# KiCad board soldiercrab_panel.kicad_pcb (continued)
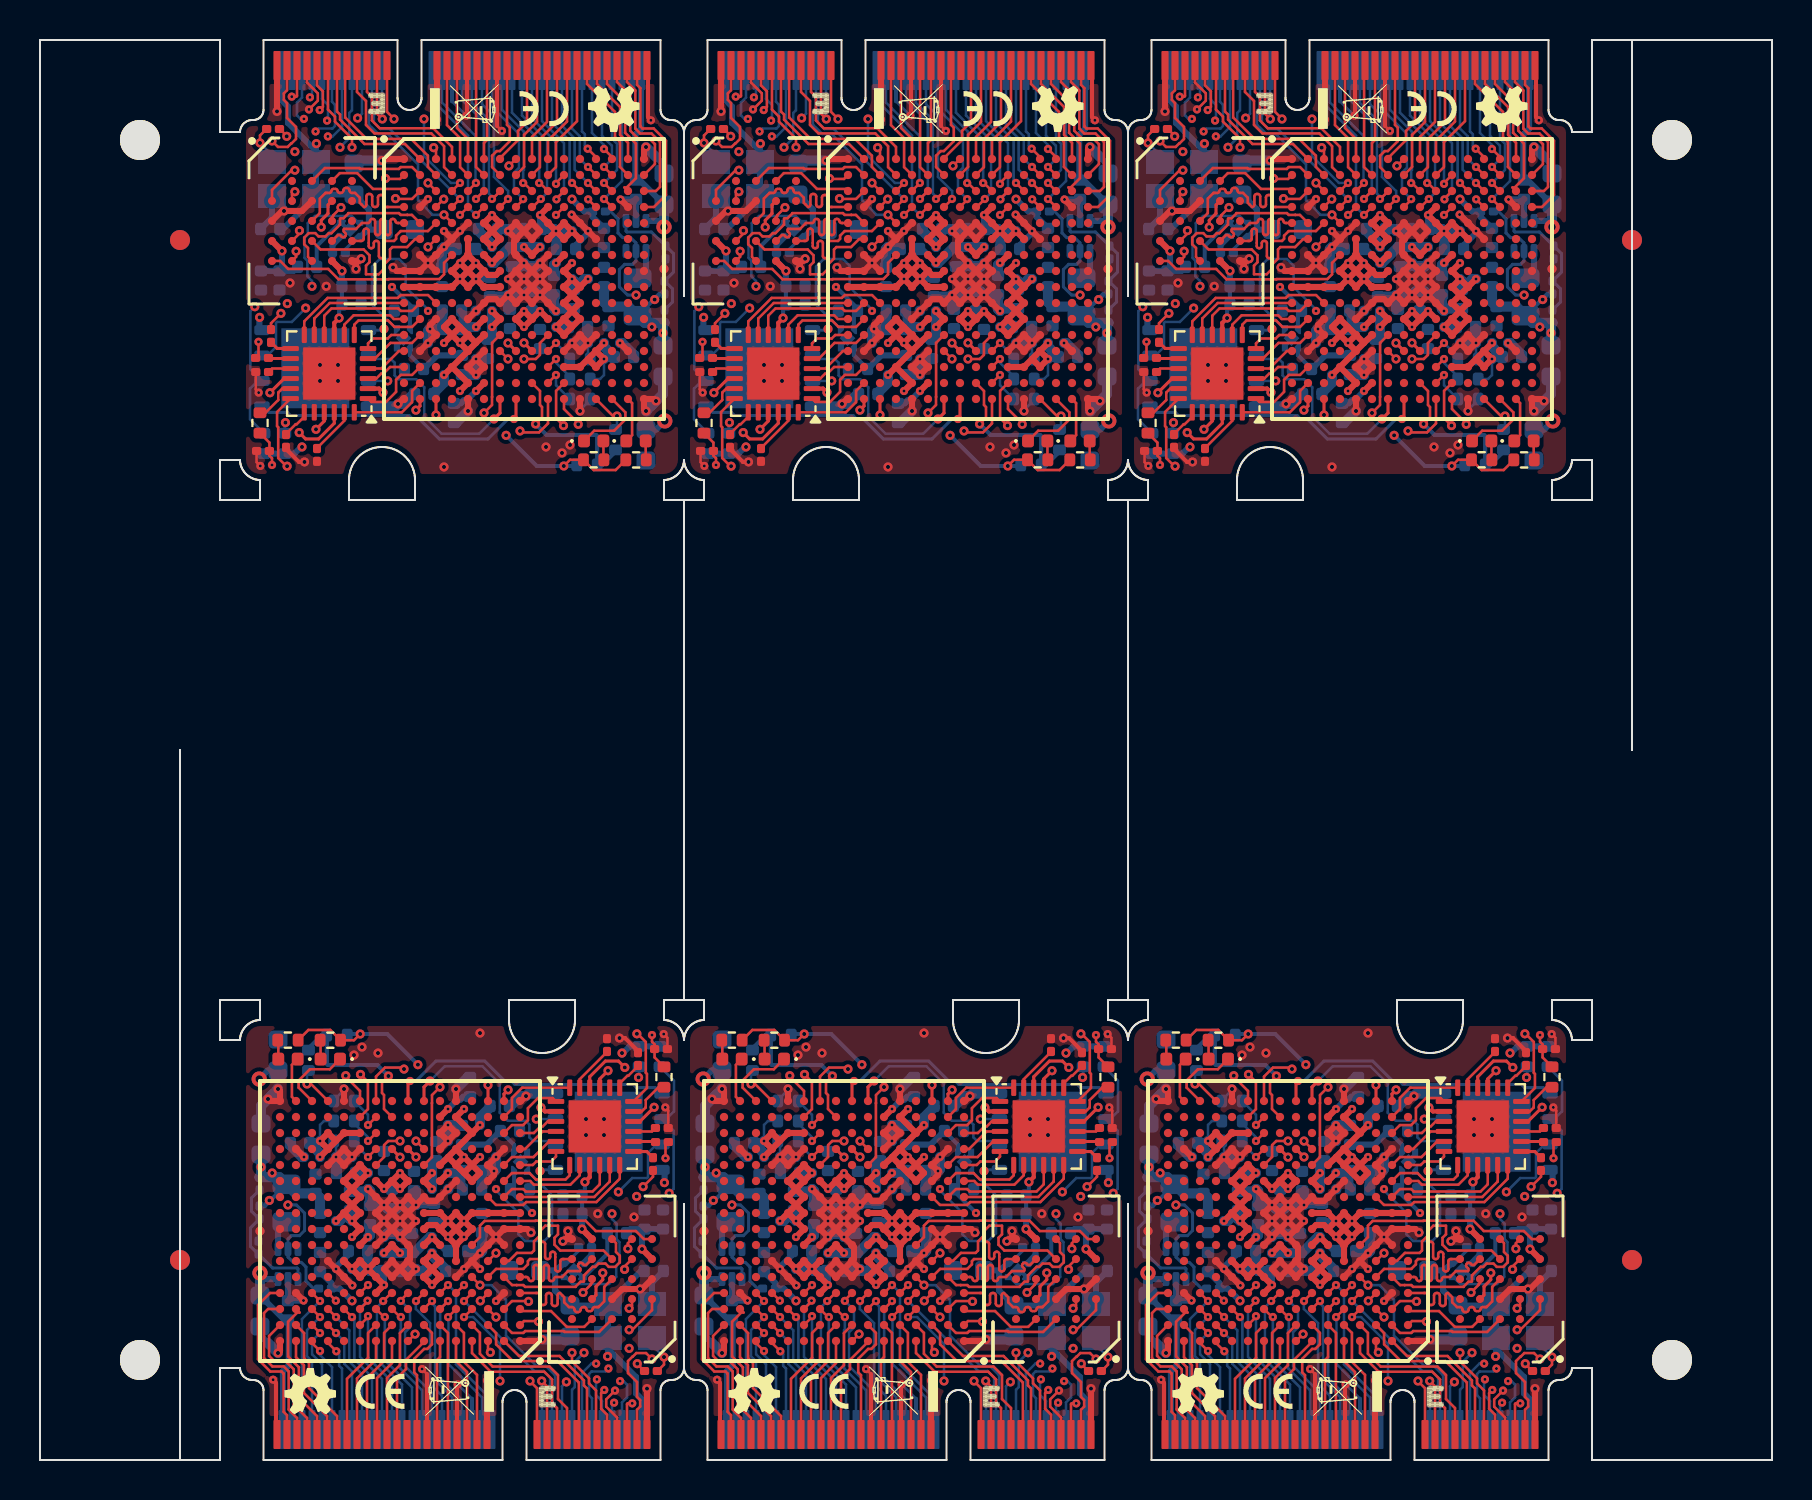
[diagram p0: board, top side]
## Routing (per net, layer and track width the routed paths; a pad name or vN(x,y) marks a point on that pad's centre or on a via; arc(x,y) is an arc through that point) (continued)
Board_1-Net-(D1-A): length 1
  Top w0.127: R11#2.1 52.49,50.03 D1#6.2
Board_1-Net-(D1-K): length 2.3
  Top w0.127: 51.52,50.95 51.8,51.24 51.8,52.85 IC1.T15
Board_1-Net-(D2-A): length 1
  Top w0.127: D2#4.2 50.37,50.03 R15#2.1
Board_1-Net-(D2-K): length 3.8
  Top w0.127: IC1.T14 51.47,52.38 51.47,52.03 50.91,51.46 49.91,51.46 D2#4.1
Board_1-Net-(U1-FB): length 6.7
  Bottom w0.152: R2#6.1 53.83,57.9 53.83,58.56 53.45,58.94 C25#5.1 53.88,59.4 53.88,60.32 53.5,60.7 R3.1 52.77,61.4 51.55,61.4 51.5,61.45 U1#6.1
Board_1-Net-(U1-SW): length 1.5
  Bottom w0.305: L1#6.1 52.5,59.52 U1#6.4
Board_1-Net-(U3-DM): length 1.1
  Top w0.152: 33.62,55.07 34.72,55.07 U3.14
Board_1-Net-(U3-DP): length 1.1
  Top w0.152: R10#4.2 34.06,55.58 34.72,55.58 U3.13
Board_1-Net-(U3-RBIAS): length 1.5
  Top w0.127: U3.19 35.41,52.17 35.04,51.79 34.99,51.79 34.58,51.38 34.58,51.27
Board_1-Net-(U3-VBUS): length 2.2
  Top w0.127: R8#3.1 33.47,52.36 34.11,53 34.11,53.37 34.31,53.57 U3.17
Board_1-Net-(Y1-OUT): length 2.1
  Top w0.127: 33.53,66.56 33.2,66.23 v2(33.2,65.85)
  Bottom w0.127: v2(33.2,65.85) 33.8,65.25 Y1.3
Board_1-USB0_DM: length 16.8
  Top w0.127: 32.98,55.07 32.98,55.1 33.12,55.25 v1(33.12,55.91) ; J1.5 35.05,68.2 35.02,68.17 v1(34.79,68.17)
  In2.Cu w0.127: v1(34.79,68.17) 34.79,67.44 34.1,66.75 33.51,66.75 32.78,66.03 32.78,65.68 33.23,65.24 33.23,65.07 33.21,65.06 33.21,58.01 33.7,57.52 33.7,56.49 v1(33.12,55.91)
Board_1-USB0_DP: length 15.7
  Top w0.127: 33.65,56.52 R10#4.1 33.75,56.84 v2(34.25,57.33) ; v2(33.8,65.95) 34.1,65.65 34.59,65.65 34.77,65.84 34.78,65.84 35,66.05 35,66.65 34.55,67.1 34.55,67.85 34.39,68 34.39,68.33 34.55,68.49 J1.3
  In2.Cu w0.127: v2(34.25,57.33) 33.47,58.11 33.47,64.95 33.8,65.29 v2(33.8,65.95)
Board_1-USB0_ID: length 28.8
  Top w0.127: v2(34.56,49.69) 34.52,49.69 34.11,50.1 34.11,51.64 34.05,51.7 34.05,52.4 U3.18
  In4.Cu w0.127: v2(37.2,65.63) 36.57,65 33.15,65 32.76,64.62 32.76,60.35 33.6,59.52 33.6,55.83 34.11,55.31 34.11,53.19 33.87,52.94 33.87,50.28 34.46,49.69 v2(34.56,49.69)
  Bottom w0.127: v2(37.2,65.63) 37.66,66.1 37.66,67.35 37.8,67.49 J1.16
Board_1-USB0_VBUS: length 24.5
  Top w0.127: v1(33.8,49.75) 33.8,50.09 33.67,50.22 33.67,50.87 R8#3.2 ; v1(36.19,67.5) 36.34,67.65 36.34,68.44 36.05,68.73 J1.9
  In1.Cu w0.127: v2(34.57,57.82) 34.74,57.65 34.74,56.85 34.11,56.23 34.11,52.46 33.8,52.15 33.8,51.59 34.1,51.29 34.1,50.5 33.8,50.2 v1(33.8,49.75)
  In2.Cu w0.127: v2(34.57,57.82) 33.72,58.67 33.72,64.85 34.29,65.42 v2(34.94,65.42)
  In4.Cu w0.127: v2(34.94,65.42) 34.94,66.04 35.88,66.98 35.88,67.19 v1(36.19,67.5)
Board_1-VCCRAM: length 38.3
  Top w0.152: v2(36.26,61.64) 36.26,61.98 36.6,62.32 36.6,62.75 U10#5.B4
  Top w0.203: U3.9 36.91,56.86 v2(37.15,57.1) ; U3.2 39.16,53.57 v2(39.35,53.38)
  Top w0.305: IC1.M5 44,55.85 ; IC1.M5 43.2,56.65 ; IC1.M5 v1(43.2,55.85) ; 44,55.85 IC1.N5 ; 44,55.85 IC1.M6 ; IC1.N5 v1(43.2,55.85) ; IC1.N5 IC1.P4 ; IC1.G5 44,59.85 v1(44,59.85) 44,59.85 ; IC1.G5 IC1.F5 ; IC1.G5 43.2,59.85 v1(43.2,59.85) 43.2,59.85 ; IC1.J1 IC1.J2 IC1.J3 IC1.J4 43.2,59.05 ; 43.2,56.65 IC1.M4 ; 43.2,56.65 IC1.L4 42.4,56.65 IC1.M4 ; IC1.M4 v1(42.4,55.85) ; IC1.M4 v1(43.2,55.85) ; IC1.J7 IC1.J6 44.4,58.65 v1(44,59.05) ; 44,59.05 IC1.J5 43.2,59.05 ; 44,59.05 v1(44,59.05) ; 44,59.05 IC1.H5 ; 43.2,59.05 v1(43.2,59.05) 43.2,59.05 IC1.H5 ; 43.2,59.05 IC1.H4 43.2,59.85 ; v1(43.2,53.45) IC1.R5 IC1.P4 ; U10#5.E4 v2(37.3,59.45) ; IC1.H5 43.2,59.85 ; IC1.H5 44,59.85 ; IC1.H7 45,59.25 44.6,59.25 IC1.H6 ; U10#5.D1 v2(34.3,60.45) ; v1(44,59.05) 44,59.05 IC1.H6 ; 44,59.85 IC1.H6 ; IC1.P4 v1(42.4,54.25)
  Bottom w0.203: v2(37.15,57.1) 37.15,57.63 C5#2.1 C32#4.1
  Bottom w0.305: v1(44,59.05) 44.62,59.05 C19#2.1 ; C83#5.1 42.68,58.67 42.7,58.65 42.8,58.65 v1(43.2,59.05) ; C31#4.1 33.25,59.46 33.3,59.51 ; C31#4.1 34.3,59.58 v2(34.3,60.45) ; C31#4.1 34.88,59.46 C65.1 ; 37.27,58.73 C32#4.1 37.3,59.45 v2(37.3,59.45) 36.83,59.93 R16#4.1 36.83,60.76 37.24,61.18
  Bottom w0.508: v1(42.4,54.25) 42.4,53.87 41.88,53.35
Board_2-+1V1: length 19.4
  Top w0.305: IC1#2.L9 v1(68.6,57.45) IC1#2.L8 v1(68.6,56.65) IC1#2.L9 ; IC1#2.L9 v1(69.4,57.45) IC1#2.L10 ; IC1#2.G6 v1(67,59.85) IC1#2.G7 ; v1(69.4,60.65) IC1#2.G9 v1(68.6,60.65)
  Bottom w0.203: v2(75.13,58.02) 75.41,58.3 C25#6.2 75.36,58.3 L1#5.2 74.43,57.22 v2(74.99,56.65)
  Bottom w0.305: v3(75.64,51.95) 75.21,51.52 C1#5.1 ; v1(67,59.85) 66.3,60.55 C15#3.1
  Bottom w0.508: 72.6,58.67 72.6,57.9 72.83,57.67 73.82,57.67 L1#5.2 74.63,56.86 R2#5.2 75.55,56.78 v2(75.55,56.35) C3.1 ; v1(69.4,60.65) 69.02,60.65 C13#4.1 68.98,60.65 v1(68.6,60.65) 68.02,60.65 C9#3.1 67.88,60.63 67.1,59.85 v1(67,59.85)
Board_2-+2V5: length 16.9
  Top w0.305: v1(67,57.45) IC1#2.L7 v1(67,56.65) ; IC1#2.G11 v1(70.2,59.85)
  In3.Cu w0.305: v1(67,56.65) 67,59.16 67.48,59.65 67.48,60.22 68.4,61.13 69.6,61.13 70.2,60.54 v1(70.2,59.85)
  Bottom w0.203: U2#5.1 62.9,55.24 63.58,54.55
  Bottom w0.305: 63.58,54.55 64.26,55.23 C22#4.1 65.57,55.23 66.37,56.03 C26#2.1
  Bottom w0.508: v1(70.2,59.85) 70.1,59.75 C24#6.1 ; C26#2.1 67,56.23 v1(67,56.65) v1(67,57.45)
Board_2-+3V3: length 82.7
  Top w0.127: R11#4.2 73.18,49.5 72.08,49.5 R15#4.2 70.9,50.01 v2(70.59,49.7)
  Top w0.152: v2(55.89,53.36) 56.6,54.07 U3#2.16
  Top w0.305: IC1#2.N13 v1(72.6,55.05) IC1#2.P13 71.8,55.05 ; IC1#2.N13 v1(72.6,55.85) ; IC1#2.N13 71.8,55.05 ; 71.8,55.05 IC1#2.P12 IC1#2.P11 ; v1(71,61.45) IC1#2.F11 v1(70.2,61.45) ; v1(71,61.45) IC1#2.E11 v1(70.2,61.45) ; v1(71,61.45) IC1#2.F12 ; IC1#2.D10 v1(69.4,62.25) IC1#2.E10 v1(70.2,61.45) ; 71,56.65 IC1#2.M11 v1(70.2,56.65) IC1#2.L11 ; 71,56.65 IC1#2.L12 IC1#2.K11 IC1#2.J12 ; 71,56.65 IC1#2.L11 ; v1(71,59.05) IC1#2.H11 v1(71,59.85) ; v1(71,59.05) IC1#2.J11 IC1#2.K12 IC1#2.L11 ; v1(71,59.05) IC1#2.J12 ; v1(70.2,61.45) IC1#2.F10 ; IC1#2.J12 v1(71.8,59.05) ; 67.3,60.95 v1(67,60.65) IC1#2.F6 IC1#2.E7 v1(67,62.25) IC1#2.E6 67.3,61.15 67.3,60.95 ; 67.3,60.95 IC1#2.F7 ; IC1#2.L6 v1(66.2,56.65) ; IC1#2.R6 v1(66.2,53.45)
  Bottom w0.127: R13.2 72.4,54.05 72.6,54.25 v1(72.6,55.05)
  Bottom w0.152: R16.2 59.67,60.54 U4.4
  Bottom w0.203: R6#6.1 71.19,49.7 v2(70.59,49.7) 69.24,49.7 v2(67.71,51.23) ; U2#5.4 62.9,57.28 63.08,57.47 63.08,57.57 v1(62,58.65)
  Bottom w0.305: v2(71,63.04) 71.61,62.43 R1#6.2 72.03,62.15 C35.1 ; 60.84,61.58 60.84,62.53 C4#3.1 58.27,63.27 Y1#6.1 ; 60.84,61.58 60.9,61.52 C23#5.1 ; 60.84,61.58 60.44,61.18 60.36,61.18 ; C81#2.1 65.43,52.83 65.58,52.98 65.73,52.98 v1(66.2,53.45) ; Y1#6.1 58.2,63.17 ; Y1#6.1 Y1#6.4 ; Y1#6.1 56.55,61.55 C10#6.1 56.5,61.44 ; v2(57.5,50.65) 57.45,50.65 57.12,50.32 R110#5.1 R109.1 ; 58.2,65.43 Y1#6.4 ; Y1#6.4 58.2,65.8 v2(58.22,65.82) ; Y1#6.4 58.2,65.45 56.8,66.85 56.8,67.67 56.5,67.97 J1#2.2 ; C2.1 74.17,64.21 74.17,66.27 74.46,66.56 74.46,69.43 J1#2.74 ; v3(75.6,61.65) 75.3,61.95 U1#4.3 ; v2(55.38,57.13) 55.37,57.12 55.37,56.49 ; C12#3.1 C33#4.1 65.4,56.47 ; v1(69.4,62.25) 69.4,61.63 C14#3.1 ; v1(67,62.25) 66.32,61.57 C18#5.1
  Bottom w0.508: C8#4.1 v1(70.2,56.65) ; v1(70.2,61.45) v1(71,61.45) ; v1(70.2,61.45) 70.22,61.43 C79#5.1 ; v1(70.2,61.45) 70.1,61.55 C14#3.1 ; v1(66.2,56.65) 65.58,56.65 C33#4.1 ; v1(72.6,55.85) 72.6,55.67 C80#4.1 72.7,55.15 v1(72.6,55.05) ; C18#5.1 66.32,61.46 67,60.78 v1(67,60.65) ; v1(71,59.05) 71.1,58.95 C16#6.1 71.62,59.05 v1(71.8,59.05) ; 75.6,62.55 v3(75.6,61.65)
Board_2-/bank0_1/CLOCK_48MHZ: length 13.4
  Top w0.127: IC1#2.A8 68.19,65.05 v2(67.85,64.71) ; v2(56.74,66.18) 56.74,66.2 56.37,66.56
  In2.Cu w0.127: v2(67.85,64.71) 66.5,66.05 59.23,66.05 58.49,65.31 58.13,65.31 57.88,65.56 57.88,65.57 57.62,65.84 57.08,65.84 v2(56.74,66.18)
Board_2-/bank2_3/~{FPGA_SELF_PROGRAM}: length 2.1
  Top w0.127: 73.25,52.15 v2(73.25,52.2) 73.05,52.2 IC1#2.T13
  Bottom w0.127: 73.25,51.51 v2(73.25,52.2)
Board_2-/bank6_7/RAM.CK: length 12.5
  Top w0.127: IC1#2.C3 64.2,63.45 v2(63.8,63.85) ; U10#4.B2 57,63.27 v2(57.14,63.42)
  In2.Cu w0.127: v2(57.14,63.42) 57.14,63.9 57.8,64.55 59.87,64.55 60.01,64.69 arc(60.18,64.76) 60.35,64.69 60.42,64.62 arc(60.59,64.55) 60.76,64.62 60.84,64.7 arc(60.91,64.87) 60.84,65.04 60.77,65.11 arc(60.7,65.28) 60.77,65.45 61.7,65.45 arc(61.93,65.36) 62.02,65.13 62.02,64.77 arc(62.11,64.55) 62.34,64.45 62.5,64.45 arc(62.73,64.55) 62.82,64.77 62.82,65.13 arc(62.91,65.36) 63.14,65.45 64,64.59 64,64.05 v2(63.8,63.85)
Board_2-/bank6_7/RAM.DQ0: length 8
  Top w0.127: U10#4.D3 58.43,60.53 60.58,60.53 60.87,60.24 60.87,59.89 60.7,59.72 60.7,59.29 61.33,59.29 61.63,59.58 61.63,59.8 61.9,60.07 61.9,60.53 62.02,60.65 62.75,60.65 63.16,61.05 IC1#2.F2
Board_2-/bank6_7/RAM.DQ1: length 7.2
  Top w0.127: v2(57.37,61.47) 57.37,61.32 U10#4.D2 ; v2(61.68,64.08) 61.7,64.05 62.4,64.05 IC1#2.B1
  In2.Cu w0.127: v2(57.37,61.47) 57.37,61.72 59.73,64.08 v2(61.68,64.08)
Board_2-/bank6_7/RAM.DQ2: length 6.8
  Top w0.127: U10#4.C4 59,62.15 59.07,62.21 59.07,62.24 v2(59.45,62.62) ; v2(62.17,63.07) 62.19,63.05 63,63.05 IC1#2.C2
  In2.Cu w0.127: v2(62.17,63.07) 61.61,62.5 60.96,62.5 arc(60.83,62.56) 60.77,62.69 60.77,63.24 arc(60.72,63.38) 60.58,63.43 60.48,63.43 arc(60.35,63.38) 60.29,63.24 60.29,62.69 arc(60.24,62.56) 60.1,62.5 59.57,62.5 v2(59.45,62.62)
Board_2-/bank6_7/RAM.DQ3: length 7.5
  Top w0.127: U10#4.D4 59.28,61.23 arc(59.35,61.26) 59.42,61.23 59.49,61.16 arc(59.56,61.13) 59.63,61.16 59.67,61.2 arc(59.7,61.27) 59.67,61.34 59.6,61.41 arc(59.57,61.48) 59.6,61.55 60.2,61.55 60.5,61.85 60.8,61.85 arc(60.87,61.88) 60.9,61.95 arc(60.93,62.02) 61,62.05 61.05,62.05 arc(61.12,62.02) 61.15,61.95 61.15,61.35 arc(61.18,61.28) 61.26,61.25 61.31,61.25 arc(61.38,61.28) 61.41,61.35 61.41,61.95 arc(61.44,62.02) 61.51,62.05 61.56,62.05 arc(61.63,62.02) 61.66,61.95 61.66,61.35 arc(61.69,61.28) 61.76,61.25 61.81,61.25 arc(61.89,61.28) 61.92,61.35 61.92,61.95 arc(61.95,62.02) 62.02,62.05 62.07,62.05 arc(62.14,62.02) 62.17,61.95 arc(62.2,61.88) 62.27,61.85 IC1#2.E1
Board_2-/bank6_7/RAM.DQ4: length 7.9
  Top w0.127: IC1#2.E3 63.8,61.45 62.44,61.45 62.2,61.21 62.2,61.06 62.1,60.95 61.7,60.95 arc(61.63,60.92) 61.6,60.85 61.6,60.19 arc(61.57,60.12) 61.5,60.09 61.45,60.09 arc(61.37,60.12) 61.34,60.19 61.34,60.85 arc(61.31,60.92) 61.24,60.95 61.19,60.95 arc(61.12,60.92) 61.09,60.85 61.09,60.69 arc(61.06,60.62) 60.99,60.59 60.94,60.59 arc(60.87,60.62) 60.84,60.69 60.84,61.46 arc(60.81,61.53) 60.73,61.56 60.68,61.56 arc(60.61,61.53) 60.58,61.46 60.58,61.05 arc(60.55,60.98) 60.48,60.95 U10#4.D5
Board_2-/bank6_7/RAM.DQ5: length 8.1
  Top w0.127: U10#4.E3 57.8,60.15 57.8,60.6 57.61,60.79 57.61,61.11 57.84,61.34 58.16,61.34 58.33,61.18 58.67,61.18 58.84,61.34 58.98,61.34 59.4,61.77 59.4,62.05 59.43,62.08 59.57,62.08 59.82,62.33 59.82,62.34 62.35,62.34 62.44,62.25 62.76,62.25 62.77,62.25 63,62.25 IC1#2.E2
Board_2-/bank6_7/RAM.DQ6: length 7.8
  Top w0.127: U10#4.E2 57.21,60.16 v2(57.21,60.44) ; IC1#2.F3 64.2,61.05 v2(63.8,60.65)
  In2.Cu w0.127: v2(57.21,60.44) 57.42,60.65 v2(63.8,60.65)
Board_2-/bank6_7/RAM.DQ7: length 10.2
  Top w0.127: U10#4.E1 56.41,59.95 56.81,59.55 58.81,59.55 59.33,59.03 61.82,59.03 61.84,59.05 64.36,59.05 64.6,59.29 64.6,59.85 IC1#2.G4
Board_2-/bank6_7/RAM.RWDS: length 8.7
  Top w0.127: U10#4.C3 58.39,62.34 58.39,63.07 58.67,63.35 58.87,63.35 arc(58.94,63.38) 58.97,63.45 arc(59,63.52) 59.07,63.55 59.18,63.55 arc(59.25,63.52) 59.28,63.45 arc(59.31,63.38) 59.38,63.35 59.44,63.35 arc(59.53,63.39) 59.57,63.48 59.57,63.48 arc(59.6,63.57) 59.69,63.6 59.75,63.6 arc(59.84,63.57) 59.88,63.48 59.88,63.48 arc(59.91,63.39) 60,63.35 60.15,63.35 60.39,63.11 60.39,62.86 60.6,62.65 arc(60.68,62.68) 60.72,62.77 60.72,63.18 arc(60.75,63.27) 60.83,63.3 60.89,63.3 arc(60.97,63.27) 61.01,63.18 61.01,62.77 arc(61.04,62.68) 61.12,62.65 61.18,62.65 arc(61.26,62.68) 61.3,62.77 61.3,63.13 arc(61.33,63.22) 61.41,63.25 61.47,63.25 arc(61.55,63.22) 61.59,63.13 61.59,62.77 arc(61.62,62.68) 61.7,62.65 IC1#2.D1
Board_2-/bank6_7/RAM.~{CK}: length 12.5
  Top w0.127: v2(57.14,64.49) 56.98,64.49 56,63.51 U10#4.B1 ; v2(64.59,63.04) 64.2,62.66 IC1#2.D3
  In2.Cu w0.127: v2(57.14,64.49) 57.46,64.81 59.75,64.81 60.16,65.21 60.17,65.21 60.67,65.71 63.25,65.71 64.3,64.65 64.3,63.33 v2(64.59,63.04)
Board_2-/bank6_7/RAM.~{CS}: length 5.9
  Top w0.127: IC1#2.B2 63,64.65 62.44,64.65 62.34,64.55 60.41,64.55 60.36,64.6 58.64,64.6 U10#4.A3
Board_2-/bank6_7/RAM.~{RESET}: length 4.1
  Top w0.127: IC1#2.C1 62.5,63.55 61.05,63.55 60.26,64.34 59.39,64.34 U10#4.A4
Board_2-/bank6_7/USB0.DATA0: length 2.2
  Top w0.127: U3#2.4 61.47,54.57 62.35,55.45 IC1#2.N1
Board_2-/bank6_7/USB0.DATA1: length 3.1
  Top w0.127: IC1#2.M2 63,55.85 61.92,55.85 61.14,55.07 U3#2.5
Board_2-/bank6_7/USB0.DATA2: length 2.2
  Top w0.127: U3#2.6 60.8,55.83 61.05,56.08 61.79,56.08 61.96,56.25 IC1#2.M1
Board_2-/bank6_7/USB0.DATA3: length 4.2
  Top w0.127: IC1#2.L2 63,56.65 62.13,56.65 61.8,56.98 60.33,56.98 60.11,56.77 U3#2.7
Board_2-/bank6_7/USB0.DATA4: length 3.8
  Top w0.127: IC1#2.L1 62.09,57.05 61.91,57.23 60.08,57.23 59.61,56.77 U3#2.8
Board_2-/bank6_7/USB0.DATA5: length 6.1
  Top w0.127: IC1#2.K2 63,57.45 62.44,57.45 62.31,57.58 58.98,57.58 58.61,57.22 U3#2.10
Board_2-/bank6_7/USB0.DATA6: length 5.6
  Top w0.127: IC1#2.K1 58.89,57.85 58.11,57.08 U3#2.11
Board_2-/bank6_7/USB0.DATA7: length 8
  Top w0.127: IC1#2.K3 63.8,58.25 62.44,58.25 62.29,58.1 58.78,58.1 57.61,56.93 U3#2.12
Board_2-/bank6_7/USB0.DIR: length 3.7
  Top w0.127: IC1#2.P2 63,54.25 62.44,54.25 62.2,54.01 62.2,53.41 61.7,52.9 60.97,52.9 U3#2.1
Board_2-/bank6_7/USB0.NXT: length 2
  Top w0.127: U3#2.3 61.21,54.07 61.46,54.32 61.57,54.32 61.91,54.65 IC1#2.P1
Board_2-/bank6_7/USB0.REFCLK: length 8.1
  Top w0.152: v2(58.2,51.53) 58.61,51.95 U3#2.21 ; v2(64.2,52.25) IC1#2.T3
  In2.Cu w0.152: v2(64.2,52.25) 63.9,51.95 58.62,51.95 v2(58.2,51.53)
Board_2-/bank6_7/USB0.STP: length 4.2
  Top w0.127: U3#2.24 62.49,52.38 63,52.9 63,53.45 IC1#2.R2
Board_2-/bank6_7/USB0.~{RESET}: length 9.7
  Top w0.152: v2(63.2,52.49) 63.4,52.7 IC1#2.T2 ; v2(57.36,51.37) 57.68,51.05 58.33,51.05 59.11,51.84 U3#2.22
  In2.Cu w0.152: v2(63.2,52.49) 63.05,52.35 58.34,52.35 v2(57.36,51.37)
Board_2-/bank8_configuration/D0: length 14.9
  Top w0.152: v1(68.1,52.05) 68.2,52.15 IC1#2.T8
  Bottom w0.152: v1(68.1,52.05) 67.8,52.05 66.8,51.05 64.37,51.05 63.35,52.06 63.02,52.06 62.85,52.22 56.93,52.22 56.77,52.38 55.83,52.38 55.53,52.68 55.37,52.68
Board_2-/bank8_configuration/D1: length 10.7
  Top w0.152: v2(67.1,52.05) 67.4,52.35 IC1#2.T7
  Bottom w0.127: 60.7,55.22 60.87,55.05 61.94,55.05 62.13,54.87 62.13,54.23 62.32,54.04 63.21,54.04 63.62,53.64 63.62,52.18 64.48,51.32 66.37,51.32 v2(67.1,52.05)
Board_2-/bank8_configuration/D2: length 12.6
  Top w0.127: IC1#2.M7 67,55.85 67,53.16 67,53.15 67,52.75 v2(66.6,52.35)
  In1.Cu w0.127: v2(61.78,53.96) 62.13,53.62 62.13,53.3 61.58,52.76 61.58,52.63 62.38,51.83 66.08,51.83 v2(66.6,52.35)
  Bottom w0.127: v2(61.78,53.96) 61.78,53.95 60.7,53.95
Board_2-/bank8_configuration/D3: length 26.2
  Top w0.127: IC1#2.N7 67.4,55.45 v2(67.8,55.05)
  In1.Cu w0.127: v2(67.8,55.05) 67.7,54.96 67.7,52.06 67.2,51.55 58.82,51.55 58.42,51.95 57.35,51.95 56.83,51.44 56.51,51.44 56.25,51.7 56.25,52.04 56.57,52.36 56.57,56.12 57.68,57.23 v2(57.68,57.6)
  Bottom w0.127: v2(57.68,57.6) 56.99,56.9 56.25,56.9 56.2,56.85 56.2,55.65 55.77,55.22 55.37,55.22
Board_2-/bank8_configuration/FPGA_CFG0: length 1.7
  Top w0.127: IC1#2.N10 v1(70.2,55.85)
  Bottom w0.127: R12#6.1 70.89,55.16 v1(70.2,55.85)
Board_2-/bank8_configuration/FPGA_CFG1: length 1.9
  Top w0.127: IC1#2.P10 v1(70.2,55.05)
  Bottom w0.127: v1(70.2,55.05) 70.2,54.86 70.89,54.17 R13.1
Board_2-/bank8_configuration/FPGA_CFG2: length 2.1
  Top w0.127: IC1#2.R10 v1(70.2,54.25)
  Bottom w0.127: R14#2.1 70.2,53.74 v1(70.2,54.25)
Board_2-/bank8_configuration/FPGA_CONFIG.~{PROGRAM}: length 8.5
  Top w0.127: IC1#2.R9 69.4,53.45 69.4,52.75 69.5,52.65 69.5,52.12 v2(69.18,51.8)
  Bottom w0.203: v2(69.18,51.8) 69.73,51.25 72.2,51.25 72.26,51.19 R6#6.2 72.51,49.75 73.25,50.49
Board_2-/bank8_configuration/FPGA_FLASH_CLK: length 22.8
  Top w0.152: IC1#2.N9 69,55.46 v2(68.6,55.86)
  In1.Cu w0.152: v2(68.6,55.86) 67.91,56.55 67.48,56.55 67.17,56.24 65.98,56.24 63.97,58.25 62.18,58.25 62.17,58.24 61.83,58.24 61.82,58.25 55.73,58.25 v2(55.14,57.66)
  Bottom w0.127: v2(55.14,57.66) 54.92,57.45 54.92,54.53 U7#5.6 ; R109.2 54.9,52.04 54.9,53.57 55.28,53.95 55.45,53.95
Board_2-/bank8_configuration/~{CS_DI}: length 16.5
  Top w0.152: v2(67.8,55.85) IC1#2.N8
  In1.Cu w0.152: v2(56.67,51.87) 57.02,52.22 58.54,52.22 61.6,55.28 v2(61.6,56.55) 62.91,56.55 63.34,56.98 64.85,56.98 66,55.83 67.78,55.83 v2(67.8,55.85)
  Bottom w0.152: R110#5.2 56.64,51.84 v2(56.67,51.87) ; 60.7,56.49 61.54,56.49 v2(61.6,56.55)
Board_2-/usb/ULPI_1V8: length 2.4
  Top w0.127: U3#2.23 59.61,51.96 58.25,50.6 C34#2.1
Board_2-/usb/ULPI_3V3: length 1.2
  Top w0.127: C36#2.1 56,54.57 U3#2.15
Board_2-ECP5_A2: length 7.6
  Top w0.127: IC1#2.A2 62.65,65.8 60.63,65.8 59.4,67.02 59.4,67.27 59.25,67.43 J1#2.13
Board_2-ECP5_A3: length 9.3
  Top w0.127: v2(64.08,65.62) 64.2,65.5 IC1#2.A3 ; J1#2.11 58.8,69.68 58.8,67.52 59.15,67.17 59.15,66.92 60,66.07 v2(60,65.63)
  In1.Cu w0.127: v2(60,65.63) 60.02,65.62 v2(64.08,65.62)
Board_2-ECP5_A4: length 8
  Top w0.127: IC1#2.A4 65,65.65 64.07,66.59 61.39,66.59 61,66.98 61,68.16 60.75,68.4 J1#2.19
Board_2-ECP5_A5: length 4.9
  Top w0.127: IC1#2.A5 65.8,66.05 65.25,66.6 J1#2.37
Board_2-ECP5_A6: length 4.7
  Top w0.127: J1#2.43 66.75,66 66.6,65.85 IC1#2.A6
Board_2-ECP5_A7: length 5.3
  Top w0.127: IC1#2.A7 67.4,65.19 67.5,65.19 68.3,65.99 68.3,66.45 68.75,66.9 J1#2.51
Board_2-ECP5_A9: length 5
  Top w0.127: J1#2.55 69.75,66.9 69,66.15 IC1#2.A9
Board_2-ECP5_A10: length 5.1
  Top w0.127: IC1#2.A10 69.8,65.97 70.75,66.92 J1#2.59
Board_2-ECP5_A13: length 4.7
  Top w0.127: IC1#2.A13 72.2,65.15 v1(71.78,65.56)
  Bottom w0.127: J1#2.62 71.5,66.43 71.64,66.29 71.64,65.71 v1(71.78,65.56)
Board_2-ECP5_A14: length 4.8
  Top w0.127: IC1#2.A14 73,65.15 v1(72.6,65.55)
  Bottom w0.127: v1(72.6,65.55) 72.6,65.75 72.25,66.1 72.25,66.11 72,66.35 J1#2.64
Board_2-ECP5_A15: length 5.3
  Top w0.127: IC1#2.A15 73.8,65.86 73.4,66.26 73.4,67.65 72.25,68.8 J1#2.65
Board_2-ECP5_B3: length 8.7
  Top w0.127: IC1#2.B3 63.8,64.65 63.8,65.21 62.96,66.05 60.73,66.05 59.66,67.13 59.66,69.63 J1#2.15
Board_2-ECP5_B4: length 9.1
  Top w0.127: J1#2.17 60.25,68.4 60.7,67.95 60.7,66.75 61.12,66.33 63.96,66.33 64.6,65.69 64.6,64.65 IC1#2.B4
Board_2-ECP5_B5: length 5.9
  Top w0.127: J1#2.35 64.75,66.74 65.4,66.09 65.4,64.65 IC1#2.B5
Board_2-ECP5_B6: length 5.7
  Top w0.127: J1#2.41 66.2,69.68 66.2,64.65 IC1#2.B6
Board_2-ECP5_B7: length 6.2
  Top w0.127: J1#2.47 67.75,66.76 67.89,66.62 67.89,65.94 67.39,65.45 67.24,65.45 67,65.21 67,64.65 IC1#2.B7
Board_2-ECP5_B8: length 5.9
  Top w0.127: J1#2.53 69.25,66.9 68.6,66.26 68.6,64.65 IC1#2.B8
Board_2-ECP5_B9: length 6
  Top w0.127: J1#2.57 70.25,66.9 69.4,66.05 69.4,64.65 IC1#2.B9
Board_2-ECP5_B10: length 6.1
  Top w0.127: J1#2.61 71.25,66.94 70.2,65.89 70.2,64.65 IC1#2.B10
Board_2-ECP5_B11: length 6.8
  Top w0.127: v1(70.2,63.81) 70.2,63.85 IC1#2.B11
  Bottom w0.127: J1#2.52 69,69.47 69,67.09 70.2,65.89 v1(70.2,63.81)
Board_2-ECP5_B13: length 5.8
  Top w0.127: v1(71.8,64.65) 72.2,64.25 IC1#2.B13 72.16,64.25
  Bottom w0.127: J1#2.60 71,66.57 71.39,66.18 71.39,65.06 v1(71.8,64.65)
Board_2-ECP5_B14: length 5.8
  Top w0.127: IC1#2.B14 72.6,64.65 v1(72.6,64.65)
  Bottom w0.127: J1#2.66 72.5,66.21 73,65.71 73,65.05 v1(72.6,64.65)
Board_2-ECP5_B15: length 6.3
  Top w0.127: IC1#2.B15 73.4,64.65 73.4,65.91 73.15,66.15 73.15,67.4 71.75,68.8 J1#2.63
Board_2-ECP5_B16: length 6.8
  Top w0.127: J1#2.69 73.25,68.9 73.91,68.24 73.91,66.47 74.31,66.07 74.87,66.07 75.15,65.8 75.15,64.8 IC1#2.B16
Board_2-ECP5_C4: length 14.2
  Top w0.127: IC1#2.C4 65,63.45 v1(65.4,63.85)
  In1.Cu w0.127: v2(63.6,67.05) 63.12,66.57 58.59,66.57 58.36,66.81 58.36,66.99 58.3,67.05 v1(57.6,67.05)
  Bottom w0.127: v1(57.6,67.05) 57.42,67.05 57.25,67.23 57.25,67.87 57.5,68.12 J1#2.6 ; 65.31,63.76 v1(65.4,63.85) 64.95,63.85 63.6,65.2 v2(63.6,67.05)
Board_2-ECP5_C5: length 6.9
  Top w0.127: 65.8,63.46 IC1#2.C5 65.8,63.46 v1(66.2,63.85)
  Bottom w0.127: J1#2.34 64.5,67.88 65.55,66.82 65.55,66.82 66.17,66.2 66.17,63.88 v1(66.2,63.85)
Board_2-ECP5_C6: length 7.6
  Top w0.127: IC1#2.C6 66.59,63.45 66.2,63.06 v1(66.2,63.05) 66.2,63.05 66.19,63.05
  Bottom w0.127: J1#2.38 65.5,67.99 66.59,66.9 66.59,63.45 66.19,63.05
Board_2-ECP5_C7: length 7.5
  Top w0.127: 67.06,63.1 67.4,63.43 IC1#2.C7
  Bottom w0.127: J1#2.40 66,67.85 66.85,67.01 66.85,63.32 67,63.16 v1(67,63.05) 67.11,63.05 67.06,63.1
Board_2-ECP5_C9: length 6.7
  Top w0.127: v1(68.56,63.85) 68.6,63.85 IC1#2.C9
  Bottom w0.127: J1#2.46 67.5,67.51 68.6,66.41 68.6,64.51 68.56,64.46 v1(68.56,63.85)
Board_2-ECP5_C10: length 6.8
  Top w0.127: IC1#2.C10 69.4,63.85 v1(69.36,63.85)
  Bottom w0.127: v1(69.36,63.85) 69.36,66.01 68,67.37 J1#2.48
Board_2-ECP5_C11: length 7.6
  Top w0.127: v1(70.22,63.03) 70.22,63.07 IC1#2.C11
  Bottom w0.127: J1#2.54 69.5,66.95 70.6,65.85 70.6,63.41 v1(70.22,63.03)
Board_2-ECP5_C12: length 6.6
  Top w0.127: v1(71,63.85) 71.4,63.45 IC1#2.C12
  Bottom w0.127: J1#2.56 70,66.85 70.88,65.97 70.88,63.97 v1(71,63.85)
Board_2-ECP5_C13: length 6.7
  Top w0.127: IC1#2.C13 v1(71.8,63.85)
  Bottom w0.127: J1#2.58 70.5,66.71 71.13,66.08 71.13,64.52 v1(71.8,63.85)
Board_2-ECP5_C14: length 6.6
  Top w0.127: v1(72.6,63.85) 72.6,63.85 IC1#2.C14
  Bottom w0.127: J1#2.68 73,66.07 73.25,65.82 73.25,64.5 v1(72.6,63.85)
Board_2-ECP5_C15: length 7.2
  Top w0.127: IC1#2.C15 73.63,63.62 73.73,63.62 74.2,64.09 74.2,65.82 73.66,66.36 73.66,67.89 72.75,68.8 J1#2.67
Board_2-ECP5_C16: length 8
  Top w0.127: IC1#2.C16 75.2,63.45 75.4,63.65 75.4,65.9 74.98,66.32 74.41,66.32 74.17,66.57 74.17,68.48 73.75,68.9 J1#2.71
Board_2-ECP5_D4: length 9.3
  Top w0.127: IC1#2.D4 65.33,62.98 v1(65.4,63.05) 65.33,63
  Bottom w0.127: v1(65.4,63.05) 65.39,63.05 61.89,66.55 61.42,66.55 61.1,66.88 61.1,67.25 61.5,67.65 J1#2.22
Board_2-ECP5_D5: length 16.4
  Top w0.127: 65.8,62.64 IC1#2.D5 65.8,62.65 v1(65.4,62.25)
  In1.Cu w0.127: v1(65.4,62.25) 65,62.65 65,65.55 64.52,66.04 63.91,66.04 63.74,65.87 60.36,65.87 60.17,66.05 59.23,66.05 58.57,65.4 58.05,65.4 57.2,66.25 57.2,67.44 v1(57.9,68.13)
  Bottom w0.127: v1(57.9,68.13) 58,68.24 J1#2.8
Board_2-ECP5_D6: length 8.7
  Top w0.127: 66.19,62.25 66.2,62.25 v1(66.2,62.25) 66.2,62.26 66.59,62.65 IC1#2.D6
  Bottom w0.127: J1#2.32 64,68.02 65.45,66.57 65.45,66.57 65.8,66.22 65.8,62.64 66.19,62.25
Board_2-ECP5_D7: length 7.6
  Top w0.127: IC1#2.D7 67.41,62.65 67.8,63.04 v1(67.8,63.05) 67.81,63.05 67.81,63.05
  Bottom w0.127: J1#2.42 66.5,67.79 67.1,67.19 67.1,64.15 67.81,63.45 67.81,63.05
Board_2-ECP5_D8: length 7.8
  Top w0.127: v1(68.56,63.05) 68.56,63.01 IC1#2.D8
  Bottom w0.127: J1#2.44 67,67.65 68.35,66.3 68.35,64.61 68.1,64.36 68.1,63.5 v1(68.56,63.05)
Board_2-ECP5_D9: length 7.7
  Top w0.127: v1(69.44,63.05) 69.04,62.65 IC1#2.D9
  Bottom w0.127: v1(69.44,63.05) 69.75,63.36 69.75,65.97 68.5,67.23 J1#2.50
Board_2-ECP5_D11: length 19.1
  Top w0.127: v1(70.2,62.25) 70.6,62.65 IC1#2.D11
  In2.Cu w0.127: v1(58.18,66.43) 58.33,66.57 58.96,66.57 59.22,66.31 66.61,66.31 67.79,65.12 68.02,65.12 68.95,64.19 68.95,62.98 69.28,62.66 69.8,62.66 v1(70.2,62.25)
  Bottom w0.127: J1#2.12 59,67.91 59.15,67.76 59.15,66.7 59.02,66.57 58.33,66.57 v1(58.18,66.43)
Board_2-ECP5_D13: length 20.5
  Top w0.127: IC1#2.D13 72.2,62.65 ; IC1#2.D13 72.16,62.65 ; IC1#2.D13 72.19,62.65 v1(71.81,63.03)
  In1.Cu w0.127: v1(58.79,66.18) 58.93,66.32 64.59,66.32 67.4,63.52 67.4,62.76 68.3,61.85 71.12,61.85 71.81,62.54 v1(71.81,63.03)
  Bottom w0.127: v1(58.79,66.18) 59.03,66.18 59.5,66.65 59.5,69.47 J1#2.14
Board_2-ECP5_D14: length 7.4
  Top w0.127: IC1#2.D14 v1(72.6,63.05)
  Bottom w0.127: v1(72.6,63.05) 73.5,63.95 73.5,67.95 73.5,67.95 J1#2.70
Board_2-ECP5_D16: length 8.8
  Top w0.127: J1#2.73 74.25,68.76 74.42,68.59 74.42,66.68 74.52,66.58 75.08,66.58 75.7,65.96 75.7,63.25 75.1,62.65 IC1#2.D16
Board_2-ECP5_E4: length 10
  Top w0.127: v2(64.6,62.26) 65,61.86 IC1#2.E4
  Bottom w0.127: J1#2.20 61,67.55 60.84,67.4 60.84,66.77 61.32,66.3 61.78,66.3 63.3,64.78 63.3,62.99 64.03,62.26 v2(64.6,62.26)
Board_2-ECP5_M10_TDO: length 20.8
  Top w0.127: v2(62.1,67.05) 62.1,67.06 61.75,67.41 J1#2.23 ; IC1#2.M10 69.4,55.85 69.4,55.25 69.19,55.05 v2(68.6,55.05)
  In4.Cu w0.127: v2(68.6,55.05) 68.1,54.55 67.6,54.55 63.1,59.05 63.1,66.05 v2(62.1,67.05)
Board_2-ECP5_R11_TDI: length 27.6
  Top w0.127: v2(70.58,51.72) 70.2,52.09 70.2,53.45 IC1#2.R11
  In4.Cu w0.127: v2(70.58,51.72) 69.24,53.05 64.6,53.05 63.1,54.55 63.1,56.1 62.59,56.6 62.59,65.15 62.17,65.57 61.58,65.57 60.28,66.87 v2(60.28,67.1)
  Bottom w0.127: J1#2.18 60.5,67.31 v2(60.28,67.1)
Board_2-ECP5_T10_TCK: length 28.3
  Top w0.127: IC1#2.T10 69.8,51.83 69.35,51.38 68.47,51.38 v2(68.4,51.45)
  In4.Cu w0.127: v1(58.75,66.97) 59.26,66.97 61.08,65.15 61.08,64.8 61.33,64.55 62.1,64.55 62.3,64.35 62.3,63.79 61.75,63.24 61.75,62.9 62.34,62.31 62.34,60.51 61.6,59.78 61.6,58.49 62.34,57.75 62.34,56.5 62.85,55.99 62.85,54.44 65.66,51.63 67.27,51.63 67.3,51.65 68.2,51.65 v2(68.4,51.45)